# KiCad board Luminography.kicad_pcb (continued)
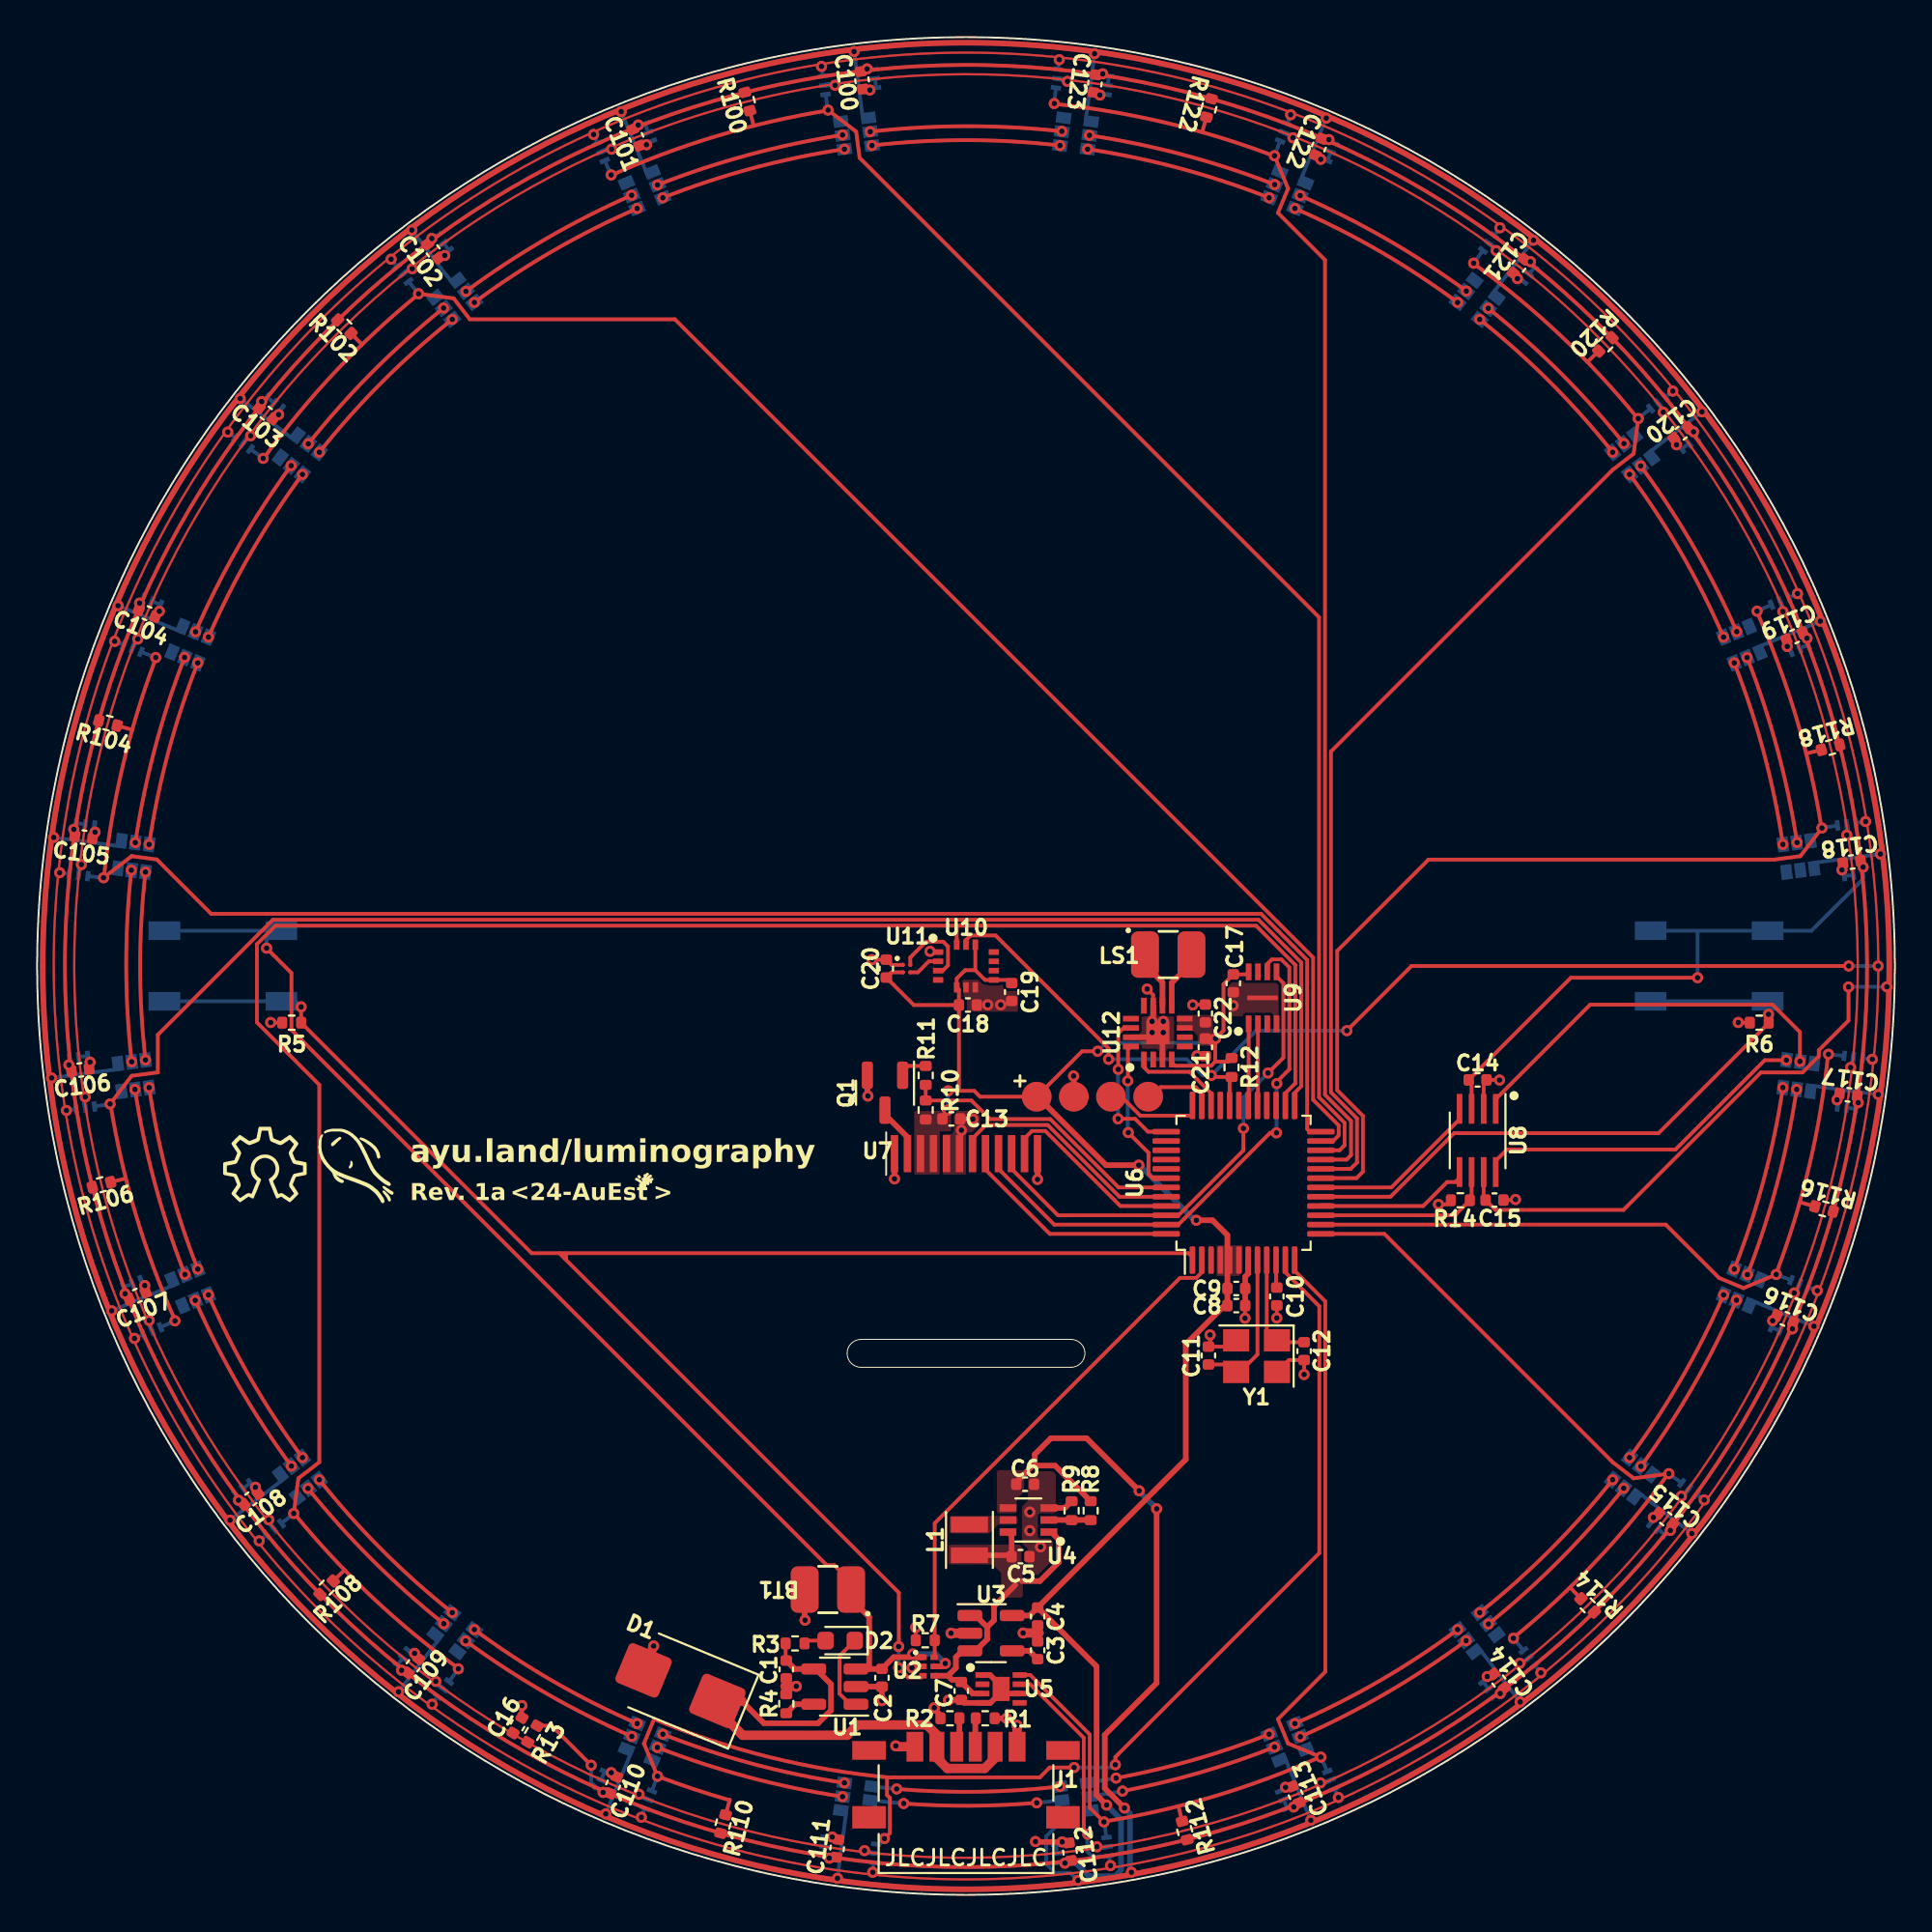
[diagram p0: board, top side]
## Footprints (pads in the part's own frame, mm; a bottom-side part is the same pattern mirrored in y, then rotated)
C_0402_1005Metric
  rrect 0.56x0.62 smd: 1(-0.48,0) 2(0.48,0)
Crystal_SMD_3225-4Pin_3.2x2.5mm
  rect 1.4x1.2 smd: 1(-1.1,-0.85) 2(1.1,-0.85) 3(1.1,0.85) 4(-1.1,0.85)
D_SMB
  rrect 2.5x2.3 smd: 1(-2.15,0) 2(2.15,0)
FPC_12_P0.7
  rect 0.4x2 smd: 1(-3.85,-10.1) 2(-3.15,-10.1) 3(-2.45,-10.1) 4(-1.75,-10.1) 5(-1.05,-10.1) 6(-0.35,-10.1) 7(0.35,-10.1) 8(1.05,-10.1) 9(1.75,-10.1) 10(2.45,-10.1) 11(3.15,-10.1) 12(3.85,-10.1)
HD107S_2020_6
  rect 0.8x0.6 smd: 1(-0.75,0.75) 2(-0.75,0) 3(-0.75,-0.75) 4(0.75,0.75) 5(0.75,0) 6(0.75,-0.75)
L_Sunlord_SWPA252012S
  rect 0.85x2 smd: 1(-0.825,0) 2(0.825,0)
LED_0603_1608Metric
  rrect 0.875x0.95 smd: 1(-0.787,0) 2(0.787,0)
LQFP-48_7x7mm_P0.5mm
  rrect 1.475x0.3 smd: 1(-4.162,2.75) 2(-4.162,2.25) 3(-4.162,1.75) 4(-4.162,1.25) 5(-4.162,0.75) 6(-4.162,0.25) 7(-4.162,-0.25) 8(-4.162,-0.75) 9(-4.162,-1.25) 10(-4.162,-1.75) 11(-4.162,-2.25) 12(-4.162,-2.75) 25(4.162,-2.75) 26(4.162,-2.25) 27(4.162,-1.75) 28(4.162,-1.25) 29(4.162,-0.75) 30(4.162,-0.25) 31(4.162,0.25) 32(4.162,0.75) 33(4.162,1.25) 34(4.162,1.75) 35(4.162,2.25) 36(4.162,2.75)
  rrect 0.3x1.475 smd: 13(-2.75,-4.162) 14(-2.25,-4.162) 15(-1.75,-4.162) 16(-1.25,-4.162) 17(-0.75,-4.162) 18(-0.25,-4.162) 19(0.25,-4.162) 20(0.75,-4.162) 21(1.25,-4.162) 22(1.75,-4.162) 23(2.25,-4.162) 24(2.75,-4.162) 37(2.75,4.162) 38(2.25,4.162) 39(1.75,4.162) 40(1.25,4.162) 41(0.75,4.162) 42(0.25,4.162) 43(-0.25,4.162) 44(-0.75,4.162) 45(-1.25,4.162) 46(-1.75,4.162) 47(-2.25,4.162) 48(-2.75,4.162)
MMC5603NJ
  round 0.23 smd: A1(-0.2,0.2) A2(0.2,0.2) B1(-0.2,-0.2) B2(0.2,-0.2)
Pads_1x02_P2.5
  rrect 1.5x2.5 smd: 1(-1.25,0) 2(1.25,0)
QFN50P300X250X87-14N
  rect 0.55x0.3 smd: 1(-1.5,0.75) 2(-1.5,0.25) 3(-1.5,-0.25) 4(-1.5,-0.75) 8(1.5,-0.75) 9(1.5,-0.25) 10(1.5,0.25) 11(1.5,0.75)
  rect 0.3x0.55 smd: 5(-0.5,-1.15) 6(0,-1.15) 7(0.5,-1.15) 12(0.5,1.15) 13(0,1.15) 14(-0.5,1.15)
QFN50P300X300X80-17N
  rect 0.85x0.3 smd: 1(-1.45,0.75) 2(-1.45,0.25) 3(-1.45,-0.25) 4(-1.45,-0.75) 9(1.45,-0.75) 10(1.45,-0.25) 11(1.45,0.25) 12(1.45,0.75)
  rect 0.3x0.85 smd: 5(-0.75,-1.45) 6(-0.25,-1.45) 7(0.25,-1.45) 8(0.75,-1.45) 13(0.75,1.45) 14(0.25,1.45) 15(-0.25,1.45) 16(-0.75,1.45)
  rect 1.25x1.25 smd: 17(0,0)
R_0402_1005Metric
  rrect 0.54x0.64 smd: 1(-0.51,0) 2(0.51,0)
SON50P200X200X80-9N-D
  rect 0.75x0.3 smd: 1(-1,0.75) 2(-1,0.25) 3(-1,-0.25) 4(-1,-0.75) 5(1,-0.75) 6(1,-0.25) 7(1,0.25) 8(1,0.75)
  rect 0.9x1.3 smd: 9(0,0)
SON50P300X200X60-9N
  rect 0.9x0.3 smd: 1(-1.4,0.75) 2(-1.4,0.25) 3(-1.4,-0.25) 4(-1.4,-0.75) 5(1.4,-0.75) 6(1.4,-0.25) 7(1.4,0.25) 8(1.4,0.75)
  rect 0.25x1.65 smd: 9(0,0)
SOT-23
  rrect 1.475x0.6 smd: 1(-0.938,0.95) 2(-0.938,-0.95) 3(0.938,0)
SOT-23-5
  rrect 1.325x0.6 smd: 1(-1.137,0.95) 2(-1.137,0) 3(-1.137,-0.95) 4(1.137,-0.95) 5(1.137,0.95)
SSOP-8_2.95x2.8mm_P0.65mm
  rect 1.6x0.3 smd: 1(-1.7,0.975) 2(-1.7,0.325) 3(-1.7,-0.325) 4(-1.7,-0.975) 5(1.7,-0.975) 6(1.7,-0.325) 7(1.7,0.325) 8(1.7,0.975)
SW_SPST_TL3342
  rect 1.7x1 smd: 1(-3.15,1.9) 1(3.15,1.9) 2(-3.15,-1.9) 2(3.15,-1.9)
TestPoints_1x04_P2.0
  round 1.6 smd: 1(-3,0) 2(-1,0) 3(1,0) 4(3,0)
Texas_R-PDSO-G6
  rect 0.9x0.4 smd: 1(-1.1,0.65) 2(-1.1,0) 3(-1.1,-0.65) 4(1.1,-0.65) 5(1.1,0) 6(1.1,0.65)
TSOT-23-5
  rrect 1.325x0.6 smd: 1(-1.137,0.95) 2(-1.137,0) 3(-1.137,-0.95) 4(1.137,-0.95) 5(1.137,0.95)
USB_C_Receptacle
  rect 0.7x1.6 smd: A5(-0.5,2.9) B5(0.5,2.9)
  rect 0.8x1.6 smd: A9(1.57,2.9) B9(-1.57,2.9)
  rect 0.9x1.6 smd: A12(2.75,2.9) B12(-2.75,2.9)
  rect 1.8x1 smd: S1(-5.22,2.7) S2(5.22,2.7)
  rect 1.8x1.2 smd: S3(5.22,-0.9) S4(-5.22,-0.9)
WSOF6
  rect 0.55x0.25 smd: 1(-1.375,0.5) 2(-1.375,0) 3(-1.375,-0.5) 4(1.375,-0.5) 5(1.375,0) 6(1.375,0.5)
XS3A1T3157GMX
  rect 0.4x0.3 smd: 1(-0.3,0.5) 2(-0.3,0) 3(-0.3,-0.5) 4(0.3,-0.5) 5(0.3,0) 6(0.3,0.5)

## Nets
+5V: C6.1 C15.1 R8.1 U4.4 U8.7 U200.1 U201.1 U202.1 U203.1 U204.1 U205.1 U206.1 U207.1 U208.1 U209.1 U210.1 U211.1 U212.1 U213.1 U214.1 U215.1 U216.1 U217.1 U218.1 U219.1 U220.1 U221.1 U222.1 U223.1
GND: BT1.2 C1.2 C2.2 C3.2 C4.2 C5.2 C6.2 C7.2 C8.2 C9.2 C10.2 C11.1 C12.1 C13.2 C14.2 C15.2 C16.2 C17.1 C18.2 C19.2 C20.1 C21.2 C22.2 C100.2 C101.2 C102.2 C103.2 C104.2 C105.2 C106.2 C107.2 C108.2 C109.2 C110.2 C111.2 C112.2 C113.2 C114.2 C115.2 C116.2 C117.2 C118.2 C119.2 C120.2 C121.2 C122.2 C123.2 D1.2 J1.A12 J1.B12 J2.2 Q1.2 R1.2 R2.2 R4.2 R5.2 R6.2 R7.2 R9.2 R14.2 U1.2 U2.2 U3.2 U4.3 U5.1 U5.4 U5.6 U5.9 U6.7 U7.1 U7.5 U7.6 U7.12 U8.2 U9.4 U9.9 U10.1 U10.6 U10.7 U11.A1 U12.3 U12.11 U12.15 U12.17 U100.2 U100.3 U101.3 U102.2 U102.3 U103.3 U104.2 U104.3 U105.3 U106.2 U106.3 U107.3 U108.2 U108.3 U109.3 U110.2 U110.3 U111.3 U112.2 U112.3 U113.3 U114.2 U114.3 U115.3 U116.2 U116.3 U117.3 U118.2 U118.3 U119.3 U120.2 U120.3 U121.3 U122.2 U122.3 U123.3 U200.4 U201.4 U202.4 U203.4 U204.4 U205.4 U206.4 U207.4 U208.4 U209.4 U210.4 U211.4 U212.4 U213.4 U214.4 U215.4 U216.4 U217.4 U218.4 U219.4 U220.4 U221.4 U222.4 U223.4 Y1.2 Y1.4
VBAT: BT1.1 C2.1 SW1.1 U1.3 U2.1 U2.5
VBUS: C1.1 D1.1 J1.A9 J1.B9 R3.1 U1.4
VDD: C4.1 C8.1 C9.1 C13.1 C14.1 C17.2 C18.1 C19.1 C20.2 C21.1 C22.1 C100.1 C101.1 C102.1 C103.1 C104.1 C105.1 C106.1 C107.1 C108.1 C109.1 C110.1 C111.1 C112.1 C113.1 C114.1 C115.1 C116.1 C117.1 C118.1 C119.1 C120.1 C121.1 C122.1 C123.1 J2.1 R10.1 R12.1 R13.1 R100.1 R102.1 R104.1 R106.1 R108.1 R110.1 R112.1 R114.1 R116.1 R118.1 R120.1 R122.1 SW2.1 U3.5 U6.4 U6.5 U6.6 U7.3 U7.4 U8.3 U9.8 U10.5 U10.8 U10.12 U11.B1 U12.4 U12.7 U12.8 U100.1 U101.1 U101.2 U102.1 U103.1 U103.2 U104.1 U105.1 U105.2 U106.1 U107.1 U107.2 U108.1 U109.1 U109.2 U110.1 U111.1 U111.2 U112.1 U113.1 U113.2 U114.1 U115.1 U115.2 U116.1 U117.1 U117.2 U118.1 U119.1 U119.2 U120.1 U121.1 U121.2 U122.1 U123.1 U123.2
BH1750FVI_DVI: C16.1 R13.2 U100.5 U101.5 U102.5 U103.5 U104.5 U105.5 U106.5 U107.5 U108.5 U109.5 U110.5 U111.5 U112.5 U113.5 U114.5 U115.5 U116.5 U117.5 U118.5 U119.5 U120.5 U121.5 U122.5 U123.5
BTNA_INTR: R5.1 SW1.2 U2.3 U6.1
BTNB_INTR: R6.1 SW2.2 U6.17
FLASH_CS: U6.30 U9.1
I2Cx_SCL: R12.2 U5.7 U6.32 U10.13 U100.6 U101.6 U102.6 U103.6 U104.6 U105.6 U106.6 U107.6 U108.6 U109.6 U110.6 U111.6 U112.6 U113.6 U114.6 U115.6 U116.6 U117.6 U118.6 U119.6 U120.6 U121.6 U122.6 U123.6
I2Cx_SDA_00: R100.2 U6.22 U100.4 U101.4
I2Cx_SDA_01: R102.2 U6.23 U102.4 U103.4
I2Cx_SDA_02: R104.2 U6.24 U104.4 U105.4
I2Cx_SDA_03: R106.2 U6.25 U106.4 U107.4
I2Cx_SDA_04: R108.2 U6.26 U10.14 U108.4 U109.4
I2Cx_SDA_05: R110.2 U6.11 U110.4 U111.4
I2Cx_SDA_06: R112.2 U5.8 U6.12 U112.4 U113.4
I2Cx_SDA_07: R114.2 U6.13 U114.4 U115.4
I2Cx_SDA_08: R116.2 U6.14 U116.4 U117.4
I2Cx_SDA_09: R118.2 U6.19 U118.4 U119.4
I2Cx_SDA_10: R120.2 U6.20 U120.4 U121.4
I2Cx_SDA_11: R122.2 U6.21 U122.4 U123.4
I2S_CK: U6.42 U12.16
I2S_SD: U6.34 U12.1
I2S_WS: U6.37 U12.14
LCD_BL: R10.2 R11.1 U6.43
LCD_CS: U6.48 U7.8
LCD_DC: U6.44 U7.7
LCD_RSTN: U6.45 U7.11
LED_CLK: U6.18 U8.4
LED_CLK_5V: U8.1 U217.5
LED_DATA: U6.16 U8.5
LED_DATA_5V: U8.8 U217.6
LSH_OE: R14.1 U6.15 U8.6
PWR_LATCH: R7.1 U2.6 U6.2
SPI_MISO: U6.29 U9.2
SPI_MOSI: U6.46 U7.10 U9.5
SPI_SCK: U6.47 U7.9 U9.6
SWCLK: J2.3 U6.36
SWDIO: J2.4 U6.35
VRI: C5.1 C7.1 L1.1 U2.4 U3.1 U3.3 U4.1 U4.6 U5.3
Net-(D2-A): D2.2 R3.2
Net-(D2-K): D2.1 U1.1
Net-(J1-CC1): J1.A5 R2.1
Net-(J1-CC2): J1.B5 R1.1
Net-(Q1-D): Q1.3 U7.2
Net-(Q1-G): Q1.1 R11.2
Net-(U1-PROG): R4.1 U1.5
Net-(U3-BP): C3.1 U3.4
Net-(U4-FB): R8.2 R9.1 U4.2
Net-(U4-L): L1.2 U4.5
Net-(U6-NRST): C10.1 U6.10
Net-(U6-PF0): C11.2 U6.8 Y1.3
Net-(U6-PF1): C12.2 U6.9 Y1.1
Net-(U10-ASCX): U10.3 U11.A2
Net-(U10-ASDX): U10.2 U11.B2
Net-(U12-OUTN): LS1.1 U12.10
Net-(U12-OUTP): LS1.2 U12.9
Net-(U200-CI): U200.5 U201.2
Net-(U200-CO): U200.2 U223.5
Net-(U200-DI): U200.6 U201.3
Net-(U200-DO): U200.3 U223.6
Net-(U201-CI): U201.5 U202.2
Net-(U201-DI): U201.6 U202.3
Net-(U202-CI): U202.5 U203.2
Net-(U202-DI): U202.6 U203.3
Net-(U203-CI): U203.5 U204.2
Net-(U203-DI): U203.6 U204.3
Net-(U204-CI): U204.5 U205.2
Net-(U204-DI): U204.6 U205.3
Net-(U205-CI): U205.5 U206.2
Net-(U205-DI): U205.6 U206.3
Net-(U206-CI): U206.5 U207.2
Net-(U206-DI): U206.6 U207.3
Net-(U207-CI): U207.5 U208.2
Net-(U207-DI): U207.6 U208.3
Net-(U208-CI): U208.5 U209.2
Net-(U208-DI): U208.6 U209.3
Net-(U209-CI): U209.5 U210.2
Net-(U209-DI): U209.6 U210.3
Net-(U210-CI): U210.5 U211.2
Net-(U210-DI): U210.6 U211.3
Net-(U211-CI): U211.5 U212.2
Net-(U211-DI): U211.6 U212.3
Net-(U212-CI): U212.5 U213.2
Net-(U212-DI): U212.6 U213.3
Net-(U213-CI): U213.5 U214.2
Net-(U213-DI): U213.6 U214.3
Net-(U214-CI): U214.5 U215.2
Net-(U214-DI): U214.6 U215.3
Net-(U215-CI): U215.5 U216.2
Net-(U215-DI): U215.6 U216.3
Net-(U216-CI): U216.5 U217.2
Net-(U216-DI): U216.6 U217.3
Net-(U218-CI): U218.5 U219.2
Net-(U218-DI): U218.6 U219.3
Net-(U219-CI): U219.5 U220.2
Net-(U219-DI): U219.6 U220.3
Net-(U220-CI): U220.5 U221.2
Net-(U220-DI): U220.6 U221.3
Net-(U221-CI): U221.5 U222.2
Net-(U221-DI): U221.6 U222.3
Net-(U222-CI): U222.5 U223.2
Net-(U222-DI): U222.6 U223.3

Pads without a net: J1 S1 S2 S3 S4; U5 2 5; U6 3 27 28 31 33 38 39 40 41; U9 3 7; U10 4 9 10 11; U12 2 5 6 12 13; U218 2 3

## Via types
v1: diameter 0.6, hole 0.3, Top to Bottom, 321 vias

## Routing (per net, layer and track width the routed paths; a pad name or vN(x,y) marks a point on that pad's centre or on a via; arc(x,y) is an arc through that point)
+5V: length 466.6
  Top w0.2: v1(97.51,48.87) 97.51,47.06 95.91,45.47 95.91,45.15 95.03,44.27 92.79,44.27 85.39,36.87 78.5,36.87 C15.1 77.86,37.5 77.86,38.91
  Top w0.3: 53.7,23.1 53.59,23.1 52.7,22.21 C6.1 ; 53.7,23.1 53.7,23.71 54.57,24.58 56.49,24.58 v1(59.32,21.75) ; 53.7,23.1 54.79,23.1 R8.1 ; v1(60.26,20.78) 60.26,11.4 57.47,8.61 57.47,5.74 v1(58.53,4.67) ; 0.3,50 arc(50,0.3) 99.7,50 arc(50,99.7) 0.3,50
  Bottom w0.2: 4.5,56.44 v1(0.89,56.92) ; 7.72,68 v1(4.36,69.39) ; 22.38,86.73 v1(20.17,89.62) ; 78.33,86.18 v1(80.55,89.07) ; 77.62,13.27 v1(79.83,10.38) ; 32.83,92.62 v1(31.44,95.99) ; v1(97.51,48.87) 97.51,48.88 v1(99.57,48.88) ; 86.73,77.62 v1(89.62,79.83) ; 13.82,78.33 v1(10.93,80.55) ; 67.17,7.38 v1(68.56,4.01) ; 13.27,22.38 v1(10.38,20.17) ; 4.38,44.45 v1(0.78,43.97) ; 68,92.28 v1(69.39,95.64) ; 44.45,95.62 v1(43.97,99.22) ; 95.62,55.55 v1(99.22,56.03) ; 32,7.72 v1(30.61,4.36) ; 55.55,4.38 54.32,3.15 54.32,1.66 54.79,1.19 55.62,1.19 v1(56.03,0.78) ; 92.62,67.17 v1(95.99,68.56) ; 56.44,95.5 v1(56.92,99.11) ; 95.5,43.56 v1(99.11,43.08) ; 92.28,32 v1(95.64,30.61) ; 86.18,21.67 v1(89.07,19.45) ; 21.67,13.82 v1(19.45,10.93) ; 7.38,32.83 v1(4.01,31.44) ; 43.56,4.5 v1(43.08,0.89)
  Bottom w0.3: v1(59.32,21.75) 59.32,21.72 v1(60.26,20.78) ; v1(58.9,1.22) 58.82,1.3 58.82,4.39 v1(58.53,4.67)
GND: length 58
  Top w0.2: C16.2 26.1,10.18 v1(26.09,10.19) ; R6.2 91.58,46.95 ; U11.A1 45.99,50.06 C20.1 v1(44.94,50.34) ; C22.2 62.22,47.92 v1(62.2,47.9) ; R5.2 12.58,46.95 v1(12.57,46.96) ; v1(68.2,28.01) C12.1 67.38,28.79 Y1.4 ; v1(65.02,31.04) 65.02,31.67 ; C10.2 v1(66.73,31.05) ; 77.86,42.31 77.86,43.71 C14.2 78.71,43.87 v1(78.72,43.86) ; v1(59.75,48.76) 60.07,48.43 60.07,47.86 ; C15.2 79.55,37.4 v1(79.58,37.43) ; R7.2 v1(47.29,14.39) ; R14.2 75.88,37.17 75.44,37.17 v1(75.43,37.17) ; Y1.2 64.2,29.51 C11.1 63.14,29.6 v1(63.14,30.14) ; v1(62.43,45.16) 62.45,45.14 C21.2 ; 64.39,47.88 v1(64.38,47.87) ; U10.1 48.1,50.75 v1(48.06,50.79)
  Top w0.3: Q1.2 44.69,43.03 v1(44.72,43) ; U5.9 52.13,10.83 U5.6 ; U5.9 51.88,11.24 51.29,11.83 U5.1 ; U5.9 51.88,10.9 51.31,10.33 U5.4 49.9,10.33 C7.2 49.07,10.49 v1(49.05,10.47) ; R9.2 55.32,20.83 U4.3 ; 60.07,47.86 60.07,46.66 U12.17 ; C8.2 65.03,33.28 65.19,33.44 U6.7 ; v1(47.09,12.22) 47.16,12.29 U2.2 ; v1(41.33,14.78) 41.31,14.8 BT1.2 ; U12.17 60.07,46.16 U12.15 ; U12.17 60.57,46.16 U12.3 ; v1(45.47,10.45) C2.2 45.47,11.21 U1.2 ; v1(52.18,9.5) 52.17,9.5 R1.2 ; 52.75,9.12 v1(52.74,9.12) ; v1(48.29,10.07) 48.29,10 48.62,9.67 48.62,9.51 ; v1(50.37,41.76) 50.36,41.77 C13.2 ; C1.2 R4.2 ; U7.1 v1(46.15,38.54) ; 46.22,8.08 v1(46.22,8.02) ; v1(55.17,2.85) 53.76,2.85 ; v1(53.85,38.51) U7.12 ; 53.86,14.5 C3.2 ; J2.2 55.8,44.06 v1(55.79,44.08)
  Top w0.5: v1(40.86,11.22) 40.25,11.22 ; J1.A12 52.75,9.12 ; v1(53.07,14.09) 53.93,14.09 ; 53.76,2.85 v1(53.74,2.87) ; U3.2 v1(49.19,14.08) ; D1.2 v1(33.19,13.4) ; J1.B12 46.26,7.97 v1(46.22,8.02)
  Bottom w0.2: U120.3 U120.2 ; U108.3 U108.2 ; U112.3 U112.2 ; U114.3 U114.2 ; U104.3 U104.2 ; U116.3 U116.2 ; U122.3 U122.2 ; U100.3 U100.2 ; U110.3 U110.2 ; U118.3 U118.2 ; U102.3 U102.2 ; U106.3 U106.2
  vias: v1(2.85,44.83) v1(3.11,57.21) v1(5.79,32.8) v1(6.58,69.1) v1(11.75,21.94) v1(13,79.68) v1(20.32,13) v1(21.94,88.25) v1(30.9,6.58) v1(32.8,94.21) v1(42.79,3.11) v1(44.83,97.15) v1(49.75,41.16) v1(51.17,47.91) v1(51.87,47.91) v1(53.43,20.6) v1(53.43,19.6) v1(54.01,18.73) v1(57.21,96.89) v1(60.02,47.02) v1(60.02,46.42) v1(60.62,47.02) v1(60.62,46.42) v1(67.2,5.79) v1(69.1,93.42) v1(78.06,11.75) v1(79.68,87) v1(87,20.32) v1(88.25,78.06) v1(91.57,46.96) v1(93.42,30.9) v1(94.21,67.2) v1(96.89,42.79) v1(97.15,55.17)
VBAT: length 66.4
  Top w0.2: BT1.1 43.21,17.04 43.21,17.44 42.9,17.75 42.5,17.75 13.69,46.56 13.69,49.62 v1(12.35,50.96)
  Top w0.3: U1.3 44.78,12.16 ; 44.78,12.16 45.47,12.16 C2.1 46.1,12.79 U2.1 47.31,12.79 v1(47.14,12.97) ; 44.78,12.16 44.78,14.95 43.81,15.92 BT1.1 ; U2.5 48.72,12.29 v1(48.88,12.45)
  Bottom w0.2: v1(12.35,50.96) 12.35,51.4 12.4,51.45 ; SW1.1 SW1.1
  Bottom w0.3: v1(47.14,12.97) 48.37,12.97 v1(48.88,12.45)
VBUS: length 31.5
  Top w0.2: R3.1 40.29,12.65 40.32,12.61
  Top w0.3: 37.94,10.42 39.12,9.23 42.04,9.23 42.73,9.93 42.73,11.34 41.91,12.16 U1.4 40.78,12.16 40.32,12.61
  Top w0.5: 48.43,7.38 J1.B9 ; J1.B9 48.43,8.61 47.89,9.15 44.16,9.15 43.6,8.59 37.98,8.59 36.62,9.95 D1.1 37.92,10.44 37.94,10.42 ; J1.B9 48.43,7.37 48.99,6.8 51,6.8 51.57,7.37 J1.A9
VDD: length 450.8
  Top w0.2: 63.41,45.57 63.42,45.58 63.42,46.08 v1(63.43,46.09) 63.86,46.52 63.86,49.02 C17.2 65.08,49.55 U9.8 ; 63.41,45.57 63.41,44.85 ; 63.41,45.57 C21.1 ; C18.1 47.19,47.9 C20.2 45.99,49.66 U11.B1 ; C18.1 49.62,48.73 U10.5 49.5,49.32 49.95,49.77 50.5,49.77 ; C18.1 49.62,43.29 ; 50.5,49.77 U10.12 ; 50.5,49.77 51.02,49.25 U10.8 52.29,49.25 C19.1 ; R13.1 27.7,9.1 v1(29.82,6.98) ; v1(57.09,45.41) 56.25,45.41 J2.1 50.75,42.96 50.44,43.28 v1(49.04,43.28) ; U12.4 61.07,44.8 61.25,44.63 63.19,44.63 63.41,44.85 ; 63.41,44.85 64.1,44.85 R12.1 ; U8.3 77.21,43.71 C14.1 82.56,49.37 v1(89.38,49.37) ; v1(49.02,42.24) 48.73,41.95 C13.1 ; 98.09,56.33 arc(56.33,1.91) 1.91,43.67 arc(43.67,98.09) 98.09,56.33
  Top w0.3: C4.1 53.43,15.03 U3.5 ; C4.1 57.03,12.29 57.03,5.37 v1(57.57,4.84) ; C4.1 61.83,23.44 61.83,29.64 63.91,31.72 C8.1 64.07,35.51 63.27,36.31 v1(62.4,36.31) ; v1(59.3,39.28) 57.54,39.28 53.85,42.96 J2.1
  Bottom w0.2: U101.2 U101.1 ; U121.2 U121.1 ; v1(57.09,45.41) 57.54,45.86 63.2,45.86 v1(63.43,46.09) ; v1(49.04,43.28) 49.02,43.26 v1(49.02,42.24) ; U103.2 U103.1 ; 86.47,51.9 SW2.1 SW2.1 95.51,51.9 98.26,54.65 U118.1 ; U117.2 U117.1 ; U107.2 U107.1 ; U110.1 29.82,6.06 v1(29.82,6.98) ; U109.2 U109.1 ; U105.2 U105.1 ; v1(89.38,49.37) 89.38,51.87 ; U113.2 U113.1 ; U119.2 U119.1 ; U123.2 U123.1 ; U111.2 U111.1 ; U115.2 U115.1
  Bottom w0.3: v1(55.32,1.71) 55.9,1.71 56.6,1.01 56.6,1.01 58.01,1.01 58.35,1.34 58.35,4.05 v1(57.57,4.84) ; v1(62.4,36.31) 62.32,36.31 59.35,39.28 v1(59.3,39.28)
  vias: v1(1.71,44.68) v1(1.97,57.36) v1(4.73,32.36) v1(5.51,69.54) v1(10.84,21.24) v1(12.09,80.38) v1(19.62,12.09) v1(21.24,89.16) v1(30.46,5.51) v1(32.36,95.27) v1(42.64,1.97) v1(44.68,98.29) v1(57.36,98.03) v1(67.64,4.73) v1(69.54,94.49) v1(78.76,10.84) v1(80.38,87.91) v1(87.91,19.62) v1(89.16,78.76) v1(94.49,30.46) v1(95.27,67.64) v1(98.03,42.64) v1(98.29,55.32)
BH1750FVI_DVI: length 313.6
  Top w0.12: 97.59,56.27 arc(56.27,2.41) 2.41,43.73 arc(43.73,97.59) 97.59,56.27
  Bottom w0.25: 2.3,55.4 U105.5 ; 94.01,69.18 U119.5 ; 67.56,94.68 U122.5 ; 12.45,20.09 U108.5 ; 94.68,32.44 U116.5 ; 44.6,2.3 U111.5 ; 5.99,30.82 U107.5 ; 87.55,79.91 U120.5 ; 42.87,97.48 U100.5 ; 21.47,11.39 U109.5 ; 69.18,5.99 U113.5 ; 57.13,2.52 U112.5 ; 2.52,42.87 U106.5 ; 20.09,87.55 U102.5 ; 30.82,94.01 U101.5 ; 32.44,5.32 U110.5 ; 78.53,88.61 U121.5 ; 55.4,97.7 U123.5 ; 11.39,78.53 U103.5 ; 5.32,67.56 U104.5 ; 97.48,57.13 U118.5 ; 88.61,21.47 U115.5 ; 79.91,12.45 U114.5 ; 97.7,44.6 U117.5
  vias: v1(2.38,55.46) v1(2.59,42.95) v1(5.42,67.6) v1(6.03,30.92) v1(11.49,78.54) v1(12.47,20.19) v1(20.19,87.53) v1(21.46,11.49) v1(30.92,93.97) v1(32.4,5.42) v1(42.95,97.41) v1(44.54,2.38) v1(55.46,97.62) v1(57.05,2.59) v1(67.6,94.58) v1(69.08,6.03) v1(78.54,88.51) v1(79.81,12.47) v1(87.53,79.81) v1(88.51,21.46) v1(93.97,69.08) v1(94.58,32.4) v1(97.41,57.05) v1(97.62,44.54)
BTNA_INTR: length 93.4
  Top w0.2: v1(14.21,47.8) R5.1 26.62,34.54 61.98,34.54 62.19,34.33 U6.1 ; U2.3 47.59,11.7 46.87,11.7 46.57,12.01 46.57,12.02 v1(46.37,12.22) ; 28.11,34.54 46.38,16.26 46.38,13.37 v1(46.37,13.36)
  Top w0.25: 28.45,34.5 28.45,34.24
  Bottom w0.2: SW1.2 SW1.2 13.91,48.1 v1(14.21,47.8) ; v1(46.37,12.22) 46.37,12.23 v1(46.37,13.36)
BTNB_INTR: length 35.5
  Top w0.2: v1(93.2,47.4) 93.2,46.92 87.28,41 76.27,41 72.85,37.58 U6.17
  Bottom w0.2: SW2.2 SW2.2 93.2,48.05 v1(93.2,47.4)
FLASH_CS: length 4.4
  Top w0.2: U9.1 65.21,42.52 U6.30
I2Cx_SCL: length 391.3
  Top w0.12: 98.68,56.41 arc(56.41,1.32) 1.32,43.59 arc(43.59,98.68) 98.68,56.41
  Top w0.2: U6.32 64.19,43.92 R12.2 63.29,44.02 v1(63.2,44.11) ; U10.13 50,51.4 50.24,51.64 51.59,51.64 57.67,45.56 v1(57.67,44.98) ; U5.7 53.46,11.33 56.34,8.45 56.34,3.51 56.56,3.29 v1(56.56,3.26) ; v1(97.52,50) 73.98,50 v1(70.5,46.52)
  Bottom w0.2: U120.6 v1(88.05,80.95) ; v1(56.56,3.26) 56.53,3.23 56.53,2.33 56.79,2.07 57.67,2.07 U112.6 v1(57.78,1.58) ; U103.6 v1(10.26,78.74) ; U116.6 v1(95.82,32.52) ; v1(99.1,50) v1(97.52,50) ; U107.6 v1(5.24,29.95) ; U106.6 v1(1.58,42.22) ; U108.6 v1(11.95,19.05) ; U102.6 v1(19.05,88.05) ; v1(57.67,44.98) 61.88,44.98 62.75,44.11 v1(63.2,44.11) 63.21,44.11 65.62,46.52 v1(70.5,46.52) ; U114.6 v1(80.95,11.95) ; U123.6 v1(55.02,98.79) ; U100.6 v1(42.22,98.42) ; U109.6 v1(21.26,10.26) ; U118.6 v1(98.42,57.78) ; U113.6 v1(70.05,5.24) ; U115.6 v1(89.74,21.26) ; U104.6 v1(4.18,67.48) ; U121.6 v1(78.74,89.74) ; U119.6 v1(94.76,70.05) ; U105.6 v1(1.21,55.02) ; U101.6 v1(29.95,94.76) ; U122.6 v1(67.48,95.82) ; U111.6 v1(44.98,1.21) ; U117.6 v1(98.79,44.98) ; U110.6 v1(32.52,4.18)
I2Cx_SDA_00: length 83.4
  Top w0.2: v1(42.57,96.07) 44.09,94.91 44.27,93.5 69,68.77 69,42.93 70.38,41.56 70.38,40.35 70.11,40.08 U6.22 ; R100.2 38.57,95.23 ; 30.91,92.56 arc(36.63,94.69) 42.58,96.06
  Bottom w0.2: v1(42.57,96.07) U100.4 ; v1(30.9,92.58) U101.4
I2Cx_SDA_01: length 88.9
  Top w0.2: U6.23 69.76,40.58 70.06,40.88 70.06,41.43 68.68,42.8 68.68,50.46 34.33,84.81 23.29,84.81 22.42,85.94 v1(20.53,86.19) ; R102.2 17.49,83.45 ; 12.18,77.32 arc(16.07,82.02) 20.54,86.17
  Bottom w0.2: v1(20.53,86.19) 19.99,86.85 ; v1(12.17,77.33) U103.4
I2Cx_SDA_02: length 91.4
  Top w0.2: R104.2 5.12,62.71 ; 68.47,41.12 68.36,41.22 68.36,50.32 65.88,52.81 9.36,52.81 6.44,55.73 5.09,55.91 v1(3.57,54.75) ; 3.59,54.75 arc(4.61,60.77) 6.4,66.6
  Bottom w0.2: v1(6.38,66.6) U104.4 ; v1(3.57,54.75) U105.4
I2Cx_SDA_03: length 92.3
  Top w0.2: R106.2 4.77,38.57 ; v1(3.93,42.57) 5.09,44.09 6.5,44.27 6.5,46.29 12.69,52.49 65.75,52.49 68.04,50.19 68.04,43.52 67.69,43.17 ; 7.44,30.91 arc(5.31,36.63) 3.94,42.58
  Bottom w0.2: v1(3.93,42.57) U106.4 ; v1(7.42,30.9) U107.4
I2Cx_SDA_04: length 113.4
  Top w0.2: U6.26 67.19,43.15 67.72,43.68 67.72,50.06 65.61,52.17 12.82,52.17 11.83,51.18 11.83,46.96 15.19,43.61 15.19,23.29 14.06,22.42 v1(13.81,20.53) ; R108.2 16.55,17.49 ; U10.14 49.5,52.17 ; 22.68,12.18 arc(17.98,16.07) 13.83,20.54
  Bottom w0.2: v1(13.81,20.53) 13.15,19.99 ; v1(22.67,12.17) U109.4
I2Cx_SDA_05: length 71.4
  Top w0.2: v1(45.61,3.03) 45.9,3.32 45.9,5.22 45.75,5.37 45.75,6.32 53.97,6.32 54.5,6.85 v1(55.82,6.85) ; v1(58.04,7) 58.04,7.42 69.02,18.4 69.02,31.68 67.19,33.51 U6.11 ; R110.2 37.29,5.12 ; 37.28,5.1 arc(35.32,5.7) v1(33.4,6.38) 32.66,8.15 33.21,9.46 arc(39.44,7.41) 45.9,6.31
  Bottom w0.2: v1(58.04,7) 57.89,6.85 v1(55.82,6.85) ; v1(33.4,6.38) U110.4 ; U111.4 45.35,2.73 45.61,2.99 v1(45.61,3.03)
I2Cx_SDA_06: length 54.7
  Top w0.2: R112.2 61.43,4.77 ; v1(57.43,3.93) 56.66,4.69 56.66,8.63 53.46,11.83 U5.8 ; U6.12 67.69,33.6 69.34,31.95 69.34,12.01 66.79,9.46 67.34,8.15 v1(69.1,7.42) ; 69.09,7.44 arc(63.37,5.31) 57.42,3.94
  Bottom w0.2: v1(57.43,3.93) U112.4 ; v1(69.1,7.42) U113.4
I2Cx_SDA_07: length 38.9
  Top w0.2: 69.1,35.58 U6.13 72.52,35.58 84.81,23.29 85.94,22.42 v1(87.83,22.67) ; R114.2 82.51,16.55 ; 87.82,22.68 arc(83.93,17.98) 79.46,13.83
  Bottom w0.2: v1(87.83,22.67) U115.4 ; v1(79.47,13.81) 80.01,13.15
I2Cx_SDA_08: length 40.7
  Top w0.2: v1(93.62,33.4) 91.85,32.66 90.54,33.21 87.67,36.08 U6.14 ; R116.2 94.88,37.29 ; 96.41,45.25 arc(95.39,39.24) 93.6,33.4
  Bottom w0.2: v1(96.43,45.25) U117.4 ; v1(93.62,33.4) U116.4
I2Cx_SDA_09: length 58.5
  Top w0.2: R118.2 95.23,61.43 ; v1(96.07,57.43) 94.91,55.91 93.5,55.73 74.9,55.73 69.98,50.81 69.98,43.32 71.36,41.93 71.36,38.92 71.02,38.58 U6.19 ; 92.56,69.09 arc(94.69,63.37) 96.06,57.42
  Bottom w0.2: v1(96.07,57.43) U118.4 ; v1(92.58,69.1) U119.4
I2Cx_SDA_10: length 64.3
  Top w0.2: v1(86.19,79.47) 85.94,77.58 84.81,76.71 69.64,61.55 69.64,43.2 71.04,41.8 71.04,39.42 70.71,39.08 U6.20 ; R120.2 83.45,82.51 ; 77.32,87.82 arc(82.02,83.93) 86.17,79.46
  Bottom w0.2: v1(77.33,87.83) U121.4 ; v1(86.19,79.47) 86.85,80.01
I2Cx_SDA_11: length 72.2
  Top w0.2: v1(66.6,93.62) 67.34,91.85 66.79,90.54 69.32,88.01 69.32,43.07 70.72,41.67 70.72,39.81 70.49,39.58 U6.21 ; R122.2 62.71,94.88 ; 54.75,96.41 arc(60.76,95.39) 66.6,93.6
  Bottom w0.2: v1(66.6,93.62) U122.4 ; v1(54.75,96.43) U123.4
I2S_CK: length 8.4
  Top w0.2: v1(58.74,41.04) 59.82,39.95 59.82,38.8 60.04,38.58 U6.42 ; U12.16 58.71,45.5 58.71,43.83 v1(58.7,43.82)
  Bottom w0.2: v1(58.74,41.04) 58.7,41.07 v1(58.7,43.82)
I2S_SD: length 5.3
  Top w0.2: U6.34 63.19,43.15 62.03,44.3 59.82,44.3 59.57,44.55 U12.1
I2S_WS: length 8.3
  Top w0.2: U12.14 58.48,46.66 58.19,46.37 v1(58.19,44.43) ; U6.37 59.79,41.08 59.1,41.77 v1(58.18,41.77)
  Bottom w0.2: v1(58.18,41.77) 58.18,44.42 v1(58.19,44.43)
LCD_BL: length 15.7
  Top w0.2: R11.1 R10.2 50.29,42.76 51.29,41.76 54.54,41.76 58.22,38.08 U6.43
LCD_CS: length 12
  Top w0.2: U6.48 54.51,35.58 51.05,39.04 U7.8
LCD_DC: length 13.1
  Top w0.2: U6.44 58.26,37.58 54.4,41.44 51.07,41.44 50.35,40.72 U7.7
LCD_RSTN: length 10.3
  Top w0.2: U7.11 53.15,40.72 53.55,41.12 54.27,41.12 58.31,37.08 U6.45
LED_CLK: length 9.5
  Top w0.2: 76.56,42.31 76.56,41.74 72.9,38.08 U6.18
LED_CLK_5V: length 21.2
  Top w0.2: 78.51,42.31 78.51,42.83 83.6,47.92 93.42,47.92 94.89,46.45 v1(94.89,44.87)
LED_DATA: length 8.9
  Top w0.2: 76.56,38.91 76.56,38.59 76.34,38.37 75.9,38.37 74.61,37.08 U6.16 ; 69.11,37.13 69.57,37.13
LED_DATA_5V: length 18.5
  Top w0.2: v1(94.16,44.93) 93,44.93 88.19,40.12 79.12,40.12 78.51,39.51 78.51,38.91
LSH_OE: length 9.9
  Top w0.2: U6.15 76.31,36.58 R14.1 77.21,37.48 U8.6
PWR_LATCH: length 27.8
  Top w0.2: U2.6 48.31,12.82 R7.1 48.31,20 61.52,33.21 62.39,33.21 62.69,33.51 U6.2
SPI_MISO: length 4.4
  Top w0.2: U9.2 65.71,42.52 U6.29
SPI_MOSI: length 26.4
  Top w0.2: U7.10 52.45,39.08 54.95,36.58 U6.46 61.44,36.58 64.93,40.07 v1(64.93,41.26) ; U9.5 66.71,49.44 67.08,49.07 67.08,45.06 v1(66.26,44.24)
  Bottom w0.2: v1(64.93,41.26) 64.93,42.91 v1(66.26,44.24)
SPI_SCK: length 30.2
  Top w0.2: U7.9 51.75,39.08 54.75,36.08 U6.47 61.43,36.08 61.73,36.38 61.73,36.38 66.37,41.02 v1(66.71,41.02) ; v1(66.73,43.67) 66.73,43.76 67.4,44.44 67.4,49.92 66.97,50.35 66.46,50.35 66.21,50.1 U9.6
  Bottom w0.2: v1(66.73,43.67) 66.72,43.66 66.72,41.03 v1(66.71,41.02)
SWCLK: length 4.8
  Top w0.2: 62.17,42.05 62.07,41.94 59.38,41.94 58.36,42.96 J2.3
SWDIO: length 3.2
  Top w0.2: U6.35 62.69,43.15 62.36,43.48 60.49,43.48 60.36,43.35
VRI: length 18.9
  Top w0.3: 51.14,14.41 51.51,14.78 51.51,15.54 52.65,16.68 ; 51.14,14.41 50.52,15.03 U3.1 ; 51.14,14.41 51.14,13.76 50.52,13.13 U3.3 49.79,13.13 49.45,12.79 49.45,12.22 49.03,11.79 ; 49.03,11.79 49.25,11.57 49.62,11.57 50.36,10.83 U5.3 ; 49.03,11.79 U2.4 ; C5.1 52.45,19.33 U4.6 ; U4.1 54.58,19.53 54.98,19.13 54.98,17.89 53.98,16.89 53.01,16.89 ; 52.38,18.28 L1.1
Net-(D2-A): length 1.2
  Top w0.2: R3.2 41.46,13.68 D2.2
Net-(D2-K): length 4.3
  Top w0.2: U1.1 43.76,10.26 43.19,10.83 43.19,12.86 D2.1
Net-(J1-CC1): length 1.6
  Top w0.3: J1.A5 49.64,8.12 49.64,9.5
Net-(J1-CC2): length 1.5
  Top w0.3: 50.5,9.43 J1.B5
Net-(Q1-D): length 2.8
  Top w0.3: U7.2 46.85,40.79 45.64,42 Q1.3
Net-(Q1-G): length 1.6
  Top w0.2: Q1.1 46.59,44.32 46.89,44.62 R11.2
Net-(U1-PROG): length 1.7
  Top w0.3: U1.5 40.81,10.26 R4.1
Net-(U3-BP): length 1.6
  Top w0.3: U3.4 53.41,13.13 C3.1
Net-(U4-FB): length 2.3
  Top w0.3: U4.2 56.7,20.18 R8.2
Net-(U6-NRST): length 1.5
  Top w0.2: C10.1 66.69,32.73 U6.10
Net-(U6-PF0): length 8.1
  Top w0.2: U6.8 65.69,29.09 64.75,28.15 ; C11.2 64.14,28.55 Y1.3
Net-(U6-PF1): length 6
  Top w0.2: C12.2 66.84,29.75 Y1.1 66.19,30.4 U6.9
Net-(U10-ASCX): length 4.6
  Top w0.2: U11.A2 47,50.46 47.85,51.31 48.77,51.31 49.03,51.05 49.03,50.03 48.75,49.75 U10.3
Net-(U10-ASDX): length 1.7
  Top w0.2: U11.B2 47.41,49.66 48,50.25 U10.2
Net-(U12-OUTN): length 2.1
  Top w0.3: 60.57,47.86 60.57,49.12 59.99,49.7
Net-(U12-OUTP): length 2
  Top w0.3: 61.64,49.66 61.07,49.09 61.07,47.86
Net-(U200-CI): length 10.3
  Top w0.2: v1(43.35,94.74) arc(38.3,93.67) v1(33.4,92.05)
Net-(U200-CO): length 10.3
  Top w0.2: v1(55.16,94.93) arc(50,95.21) v1(44.84,94.91)
Net-(U200-DI): length 10.1
  Top w0.2: v1(43.45,93.97) arc(38.49,92.94) v1(33.68,91.35)
Net-(U200-DO): length 10.1
  Top w0.2: v1(55.06,94.17) arc(50,94.46) v1(44.94,94.17)
Net-(U201-CI): length 10.3
  Top w0.2: v1(32,91.49) arc(27.4,89.15) v1(23.08,86.32)
Net-(U201-DI): length 10.1
  Top w0.2: v1(32.3,90.78) arc(27.77,88.5) v1(23.54,85.72)
Net-(U202-CI): length 10.3
  Top w0.2: v1(21.88,85.42) arc(18.03,81.97) v1(14.6,78.11)
Net-(U202-DI): length 10.1
  Top w0.2: v1(22.35,84.81) arc(18.56,81.44) v1(15.19,77.65)
Net-(U203-CI): length 10.3
  Top w0.2: v1(13.67,76.93) arc(10.85,72.6) v1(8.53,67.99)
Net-(U203-DI): length 10.1
  Top w0.2: v1(14.28,76.46) arc(11.5,72.23) v1(9.22,67.7)
Net-(U204-CI): length 10.3
  Top w0.2: v1(7.94,66.61) arc(6.33,61.7) v1(5.28,56.64)
Net-(U204-DI): length 10.1
  Top w0.2: v1(8.65,66.32) arc(7.06,61.51) v1(6.03,56.55)
Net-(U205-CI): length 10.3
  Top w0.2: v1(5.07,55.16) arc(4.79,50) v1(5.09,44.84)
Net-(U205-DI): length 10.1
  Top w0.2: v1(5.83,55.06) arc(5.54,50) v1(5.83,44.94)
Net-(U206-CI): length 10.3
  Top w0.2: v1(5.26,43.35) arc(6.33,38.3) v1(7.95,33.4)
Net-(U206-DI): length 10.1
  Top w0.2: v1(6.03,43.45) arc(7.06,38.49) v1(8.65,33.68)
Net-(U207-CI): length 10.3
  Top w0.2: v1(8.51,32) arc(10.85,27.4) v1(13.68,23.08)
Net-(U207-DI): length 10.1
  Top w0.2: v1(9.22,32.3) arc(11.5,27.77) v1(14.28,23.54)
Net-(U208-CI): length 10.3
  Top w0.2: v1(14.58,21.88) arc(18.03,18.03) v1(21.89,14.6)
Net-(U208-DI): length 10.1
  Top w0.2: v1(15.19,22.35) arc(18.56,18.56) v1(22.35,15.19)
Net-(U209-CI): length 10.3
  Top w0.2: v1(23.07,13.67) arc(27.4,10.85) v1(32.01,8.53)
Net-(U209-DI): length 10.1
  Top w0.2: v1(23.54,14.28) arc(27.77,11.5) v1(32.3,9.22)
Net-(U210-CI): length 10.3
  Top w0.2: v1(33.39,7.94) arc(38.3,6.33) v1(43.36,5.28)
Net-(U210-DI): length 10.1
  Top w0.2: v1(33.68,8.65) arc(38.49,7.06) v1(43.45,6.03)
Net-(U211-CI): length 10.3
  Top w0.2: v1(53.81,4.95) arc(50.23,4.79) v1(46.64,4.92)
  Bottom w0.2: v1(46.64,4.92) U211.5 ; v1(53.81,4.95) U212.2
Net-(U211-DI): length 10.1
  Top w0.2: v1(55.06,5.83) arc(50.67,5.55) v1(46.27,5.7)
  Bottom w0.2: U211.6 v1(46.27,5.7)
Net-(U212-CI): length 10.3
  Top w0.2: v1(66.6,7.95) arc(62.57,6.58) v1(58.43,5.59)
  Bottom w0.2: v1(58.43,5.59) U212.5
Net-(U212-DI): length 10.1
  Top w0.2: v1(66.32,8.65) arc(62.26,7.27) v1(58.08,6.28)
  Bottom w0.2: U212.6 v1(58.08,6.28)
Net-(U213-CI): length 10.3
  Top w0.2: v1(68,8.51) arc(72.6,10.85) v1(76.92,13.68)
Net-(U213-DI): length 10.1
  Top w0.2: v1(67.7,9.22) arc(72.23,11.5) v1(76.46,14.28)
Net-(U214-CI): length 10.3
  Top w0.2: v1(78.12,14.58) arc(81.97,18.03) v1(85.4,21.89)
Net-(U214-DI): length 10.1
  Top w0.2: v1(77.65,15.19) arc(81.44,18.56) v1(84.81,22.35)
Net-(U215-CI): length 10.3
  Top w0.2: v1(86.33,23.07) arc(89.15,27.4) v1(91.47,32.01)
Net-(U215-DI): length 10.1
  Top w0.2: v1(85.72,23.54) arc(88.5,27.77) v1(90.78,32.3)
Net-(U216-CI): length 10.3
  Top w0.2: v1(92.06,33.39) arc(93.67,38.3) v1(94.72,43.36)
Net-(U216-DI): length 10.1
  Top w0.2: v1(91.35,33.68) arc(92.94,38.49) v1(93.97,43.45)
Net-(U218-CI): length 10.3
  Top w0.2: v1(94.74,56.65) arc(93.67,61.7) v1(92.05,66.6)
Net-(U218-DI): length 10.1
  Top w0.2: v1(93.97,56.55) arc(92.94,61.51) v1(91.35,66.32)
Net-(U219-CI): length 10.3
  Top w0.2: v1(91.49,68) arc(89.15,72.6) v1(86.32,76.92)
Net-(U219-DI): length 10.1
  Top w0.2: v1(90.78,67.7) arc(88.5,72.23) v1(85.72,76.46)
Net-(U220-CI): length 10.3
  Top w0.2: v1(85.42,78.12) arc(81.97,81.97) v1(78.11,85.4)
Net-(U220-DI): length 10.1
  Top w0.2: v1(84.81,77.65) arc(81.44,81.44) v1(77.65,84.81)
Net-(U221-CI): length 10.3
  Top w0.2: v1(76.93,86.33) arc(72.6,89.15) v1(67.99,91.47)
Net-(U221-DI): length 10.1
  Top w0.2: v1(76.46,85.72) arc(72.23,88.5) v1(67.7,90.78)
Net-(U222-CI): length 10.3
  Top w0.2: v1(66.61,92.06) arc(61.7,93.67) v1(56.64,94.72)
Net-(U222-DI): length 10.1
  Top w0.2: v1(66.32,91.35) arc(61.51,92.94) v1(56.55,93.97)

## Copper pours and planes (outline as drawn; the poured copper is in the pictures)
+5V on Top: 52.73,20.48 52.73,21.3 53.13,21.7 53.13,22.86 51.66,22.86 51.66,20.48
GND on Top: 54.83,20.3 54.83,23.08 53.33,23.08 53.33,21.23 53.01,20.9 53.01,18.93 53.31,18.63 53.31,17.23 54.89,17.23
GND on Top: 59.3,47.44 59.3,45.39 61.34,45.39 61.34,47.44
GND on Top: 64,49.23 64,47.29 67.08,47.29 67.08,49.23
GND on Top: 48.59,38.77 50.75,38.77 50.75,42.2 48.59,42.2
GND on Top: 49.72,49.26 49.72,47.54 52.8,47.54 52.8,49.26
GND on Bottom: -15.11,109.24 -14.05,-18.25 117.72,-17.45 116.39,110.58
VDD on Top: 61.34,46.51 62.19,46.51 62.46,46.24 62.46,45.7 63.29,45.7 63.29,47.36 61.34,47.36
VDD on Top: 63.46,34.97 63.45,33.31 64.95,33.31 64.95,34.97
VDD on Top: 49.2,42.2 49.2,41.1 48.59,41.1 48.59,38.77 47.21,38.77 47.21,42.2
VRI on Top: 52.86,18.85 49.06,18.85 49.06,17.78 51.43,17.78 51.88,17.33 51.88,16 53.06,16 53.06,18.65
Net-(U4-L) on Top: 52.78,19.93 52.78,20.4 49.11,20.4 49.11,19.45 51.26,19.45 51.73,19.93

## Text on the board
F.Silkscreen: JLCJLCJLCJLC | Rev. 1a | <24-AuEst | > | ayu.land/luminography
